# Altium PCB amp.PcbDoc (part 12 of 20)
Units mm, origin at the board's own origin, x right, y up, seen from the top; angles counter-clockwise.
Board outline 210 x 210 mm, 2 copper layers (Top Layer, Bottom Layer); 742 components, 1354 nets, 6402 pads, 5154 vias.
Unrouted connection lines stored in the file: 702.
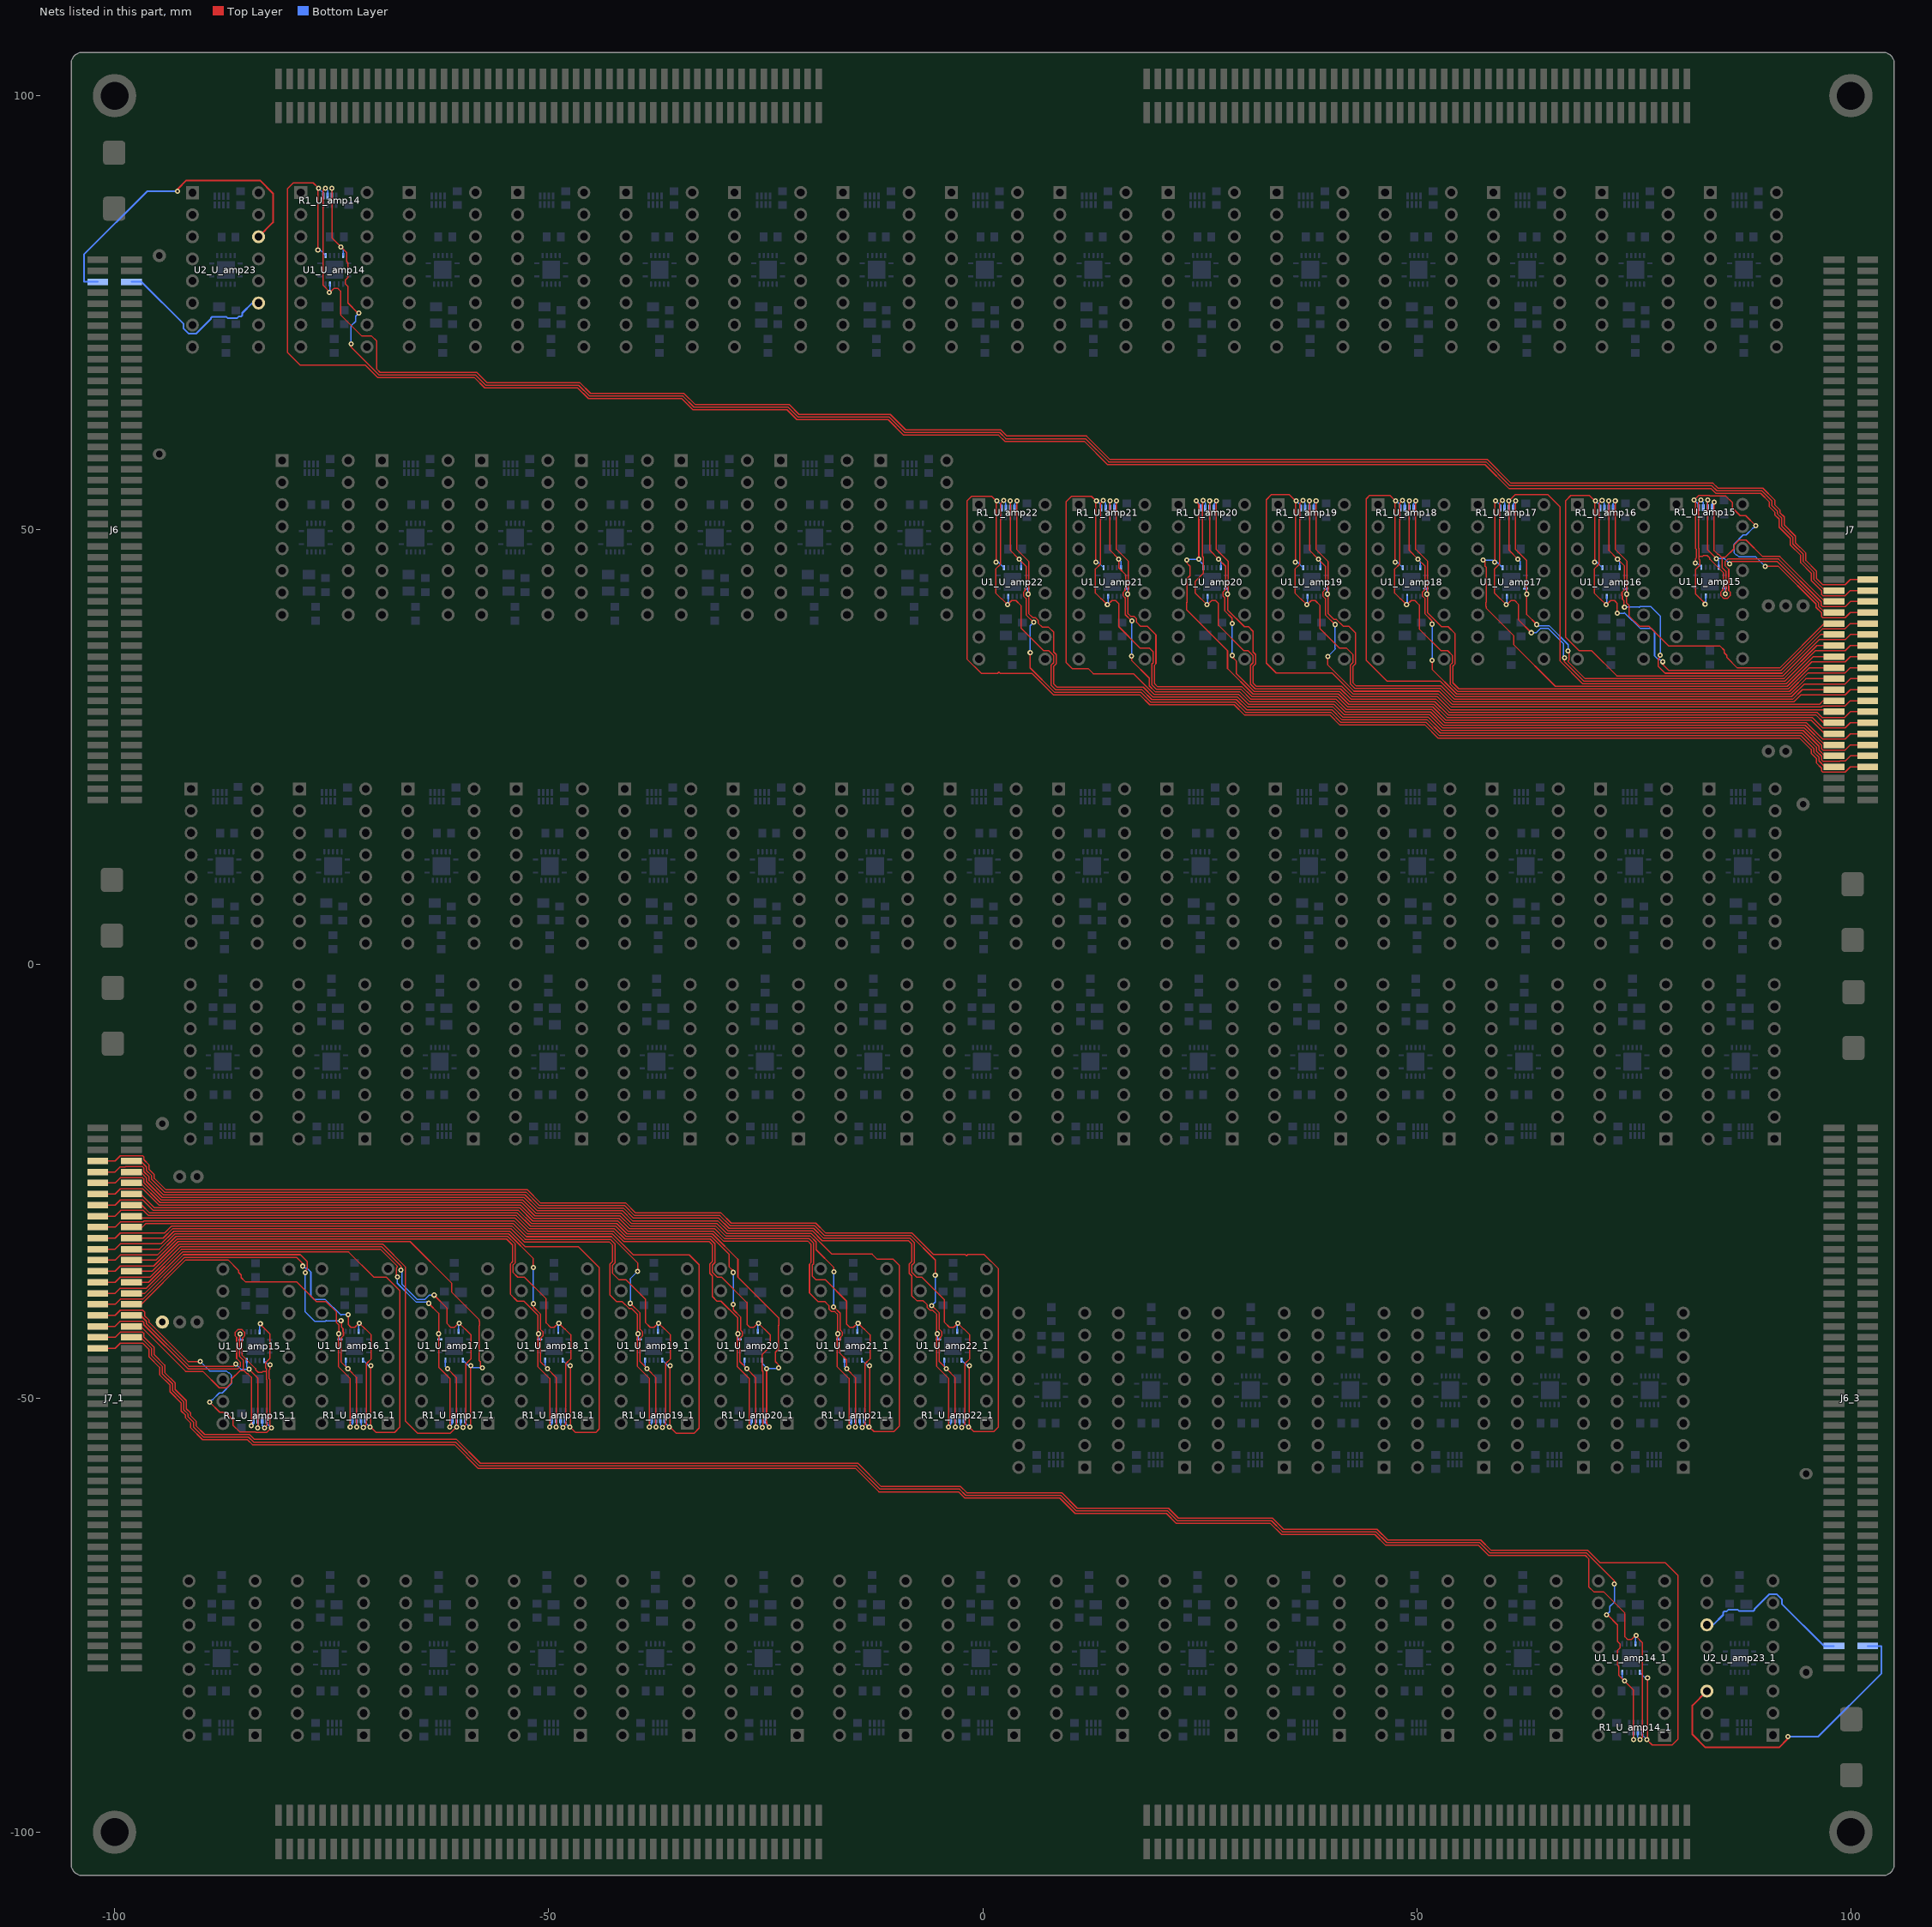
[diagram p12: the nets of this part, all layers, seen from the top]

## Via types
v1: diameter 0.6, hole 0.3, Top Layer to Bottom Layer, tented both sides, 4704 vias
v2: diameter 0.5, hole 0.3, Top Layer to Bottom Layer, 450 vias

## Nets (pads, with @x,y where several pads share a name; then routed paths per layer and width w, separated by ;. In a path a pad name is that pad's centre, name@x,y a point inside that pad or via, vN(x,y) a via of type N, cw(c..) or ccw(c..) an arc to the next point about the centre after c; other vN are vias at no path point) (continued)
NetJ6_95: J6.95 J6_3.95 U2_U_amp23.14 U2_U_amp23_1.14 | length 72.9
  Top Layer w0.2: v1(-92.75,89) -92.75,89.25 -91.75,90.25 -83.25,90.25 -81.75,88.75 -81.75,85.421 U2_U_amp23.14@-83.421,83.75 ; U2_U_amp23_1.14@83.421,-83.75 81.75,-85.421 81.75,-88.75 83.25,-90.25 91.75,-90.25 92.75,-89.25 v1(92.75,-89)
  Bottom Layer w0.2: J6.95@-101.95,78.575 -103.5,78.575 -103.5,81.75 -96.25,89 v1(-92.75,89) ; v1(92.75,-89) 96.25,-89 103.5,-81.75 103.5,-78.575 J6_3.95@101.95,-78.575
NetJ6_96: J6.96 J6_3.96 U2_U_amp23.11 U2_U_amp23_1.11 | length 38.5
  Bottom Layer w0.2: J6.96@-98.05,78.575 -96.902,78.575 -92.041,73.715 -92.041,73.176 -91.455,72.59 -90.627,72.59 -88.902,74.315 -88.902,74.406 -88.756,74.552 -87.149,74.552 -86.969,74.373 -85.901,74.373 -85.701,74.573 -85.444,74.573 -85.297,74.719 -85.297,74.977 -84.144,76.13 U2_U_amp23.11@-83.421,76.13 ; U2_U_amp23_1.11@83.421,-76.13 84.144,-76.13 85.297,-74.977 85.297,-74.719 85.444,-74.573 85.701,-74.573 85.901,-74.373 86.969,-74.373 87.149,-74.552 88.756,-74.552 88.902,-74.406 88.902,-74.315 90.627,-72.59 91.455,-72.59 92.041,-73.176 92.041,-73.715 96.902,-78.575 J6_3.96@98.05,-78.575
NetJ7_7: J7.7 J7_1.7 R1_U_amp22.5 R1_U_amp22_1.5 U1_U_amp22.9 U1_U_amp22_1.9 | length 283.3
  Top Layer w0.15: J7_1.7@-101.95,-22.695 -99.938,-22.695 -99.343,-22.1 -96.757,-22.1 -96.625,-22.232 -96.625,-22.552 -96.025,-23.152 -96.025,-23.675 -95.425,-24.275 -95.425,-24.696 -94.134,-25.987 -52.485,-25.987 -50.96,-27.512 -41.149,-27.512 -39.975,-28.687 -30.14,-28.687 -28.974,-29.853 -19.241,-29.853 -18.122,-30.972 -8.166,-30.972 -5.678,-33.46 -2.018,-33.46 -1.86,-33.618 -1.703,-33.461 0.16,-33.461 1.824,-35.124 1.824,-53.316 1.274,-53.865 -1.039,-53.865 -1.564,-53.34 -1.54,-53.316 v1(-1.54,-46.28) ; v1(1.54,46.28) 1.54,53.316 1.564,53.34 1.039,53.865 -1.274,53.865 -1.824,53.316 -1.824,35.124 -0.16,33.461 1.703,33.461 1.86,33.618 2.018,33.46 5.678,33.46 8.166,30.972 18.122,30.972 19.241,29.853 28.974,29.853 30.14,28.687 39.975,28.687 41.149,27.512 50.96,27.512 52.485,25.987 94.134,25.987 95.425,24.696 95.425,24.275 96.025,23.675 96.025,23.152 96.625,22.552 96.625,22.232 96.757,22.1 99.343,22.1 99.938,22.695 J7.7@101.95,22.695
  Bottom Layer w0.15: U1_U_amp22_1.9@-2.436,-45.645 -1.801,-46.28 v1(-1.54,-46.28) ; R1_U_amp22_1.5@-2.162,-52.495 -2.162,-52.847 -1.669,-53.34 v1(-1.62,-53.34) ; v1(1.54,46.28) 1.801,46.28 U1_U_amp22.9@2.436,45.645 ; v1(1.62,53.34) 1.669,53.34 2.162,52.847 R1_U_amp22.5@2.162,52.495
NetJ7_8: J7.8 J7_1.8 R1_U_amp22.7 R1_U_amp22_1.7 U1_U_amp22.13 U1_U_amp22_1.13 | length 241.2
  Top Layer w0.15: J7_1.8@-98.05,-22.695 -97.008,-22.695 -96.325,-23.378 -96.325,-23.799 -95.725,-24.399 -95.725,-24.82 -94.258,-26.287 -52.609,-26.287 -51.084,-27.812 -41.274,-27.812 -40.099,-28.987 -30.265,-28.987 -29.098,-30.153 -19.365,-30.153 -18.246,-31.272 -8.291,-31.272 -5.461,-34.102 v1(-5.461,-35.865) ; v1(-5.867,-39.345) -4.998,-40.214 -4.998,-42.08 -4.698,-42.38 -4.698,-42.815 -4.923,-43.04 -4.923,-43.205 -4.998,-43.28 -4.998,-45.819 v1(-4.182,-46.636) -3.166,-47.652 -3.169,-47.655 v1(-3.169,-53.34) ; v1(3.169,53.34) 3.169,47.655 3.166,47.652 v1(4.182,46.636) 4.998,45.819 4.998,43.28 4.923,43.205 4.923,43.04 4.698,42.815 4.698,42.38 4.998,42.08 4.998,40.214 v1(5.867,39.345) ; v1(5.461,35.865) 5.461,34.102 8.291,31.272 18.246,31.272 19.365,30.153 29.098,30.153 30.265,28.987 40.099,28.987 41.274,27.812 51.084,27.812 52.609,26.287 94.258,26.287 95.725,24.82 95.725,24.399 96.325,23.799 96.325,23.378 97.008,22.695 J7.8@98.05,22.695
  Bottom Layer w0.15: v1(-5.867,-39.345) -5.461,-38.938 v1(-5.461,-35.865) ; U1_U_amp22_1.13@-4.436,-45.645 -4.436,-46.382 v1(-4.182,-46.636) ; v1(-3.169,-53.34) -3.169,-53.381 -3.162,-53.388 R1_U_amp22_1.7@-3.162,-52.495 ; R1_U_amp22.7@3.162,52.495 3.162,53.388 3.169,53.381 v1(3.169,53.34) ; v1(4.182,46.636) 4.436,46.382 U1_U_amp22.13@4.436,45.645 ; v1(5.461,35.865) 5.461,38.938 v1(5.867,39.345)
NetJ7_9: J7.9 J7_1.9 R1_U_amp22.6 R1_U_amp22_1.6 U1_U_amp22.5 U1_U_amp22_1.5 | length 253.2
  Top Layer w0.15: J7_1.9@-101.95,-23.965 -99.938,-23.965 -99.343,-23.37 -98.757,-23.37 -98.704,-23.317 -96.81,-23.317 -96.625,-23.502 -96.625,-23.923 -96.025,-24.523 -96.025,-24.945 -94.383,-26.587 -52.733,-26.587 -51.208,-28.112 -41.398,-28.112 -40.223,-29.287 -30.389,-29.287 -29.223,-30.453 -19.49,-30.453 -18.371,-31.572 -8.415,-31.572 -7.864,-32.123 -7.864,-34.406 -8.164,-34.706 -8.164,-35.514 -7.593,-36.085 -7.019,-36.085 -4.398,-38.705 -4.398,-41.282 -3.829,-41.852 -3.335,-41.852 v1(-2.861,-41.378) -2.163,-42.076 -2.137,-42.076 -1.493,-42.721 -1.493,-45.49 -2.065,-46.063 -2.065,-53.043 -2.404,-53.382 v1(-2.404,-53.392) ; v1(2.404,53.392) 2.404,53.382 2.065,53.043 2.065,46.063 1.493,45.49 1.493,42.721 2.137,42.076 2.163,42.076 v1(2.861,41.378) 3.335,41.852 3.829,41.852 4.398,41.282 4.398,38.705 7.019,36.085 7.593,36.085 8.164,35.514 8.164,34.706 7.864,34.406 7.864,32.123 8.415,31.572 18.371,31.572 19.49,30.453 29.223,30.453 30.389,29.287 40.223,29.287 41.398,28.112 51.208,28.112 52.733,26.587 94.383,26.587 96.025,24.945 96.025,24.523 96.625,23.923 96.625,23.502 96.81,23.317 98.704,23.317 98.757,23.37 99.343,23.37 99.938,23.965 J7.9@101.95,23.965
  Bottom Layer w0.15: U1_U_amp22_1.5@-2.936,-42.345 -2.936,-41.453 v1(-2.861,-41.378) ; R1_U_amp22_1.6@-2.662,-52.495 -2.662,-53.105 -2.404,-53.363 v1(-2.404,-53.392) ; v1(2.404,53.392) 2.404,53.363 2.662,53.105 R1_U_amp22.6@2.662,52.495 ; v1(2.861,41.378) 2.936,41.453 U1_U_amp22.5@2.936,42.345
NetJ7_10: J7.10 J7_1.10 R1_U_amp22.8 R1_U_amp22_1.8 U1_U_amp22.1 U1_U_amp22_1.1 | length 238.2
  Top Layer w0.15: J7_1.10@-98.05,-23.965 -97.008,-23.965 -96.325,-24.648 -96.325,-25.069 -94.507,-26.887 -52.858,-26.887 -51.332,-28.412 -41.522,-28.412 -40.348,-29.587 -30.513,-29.587 -29.347,-30.753 -19.614,-30.753 -18.49,-31.877 -8.534,-31.877 -8.164,-32.247 -8.164,-34.282 -8.464,-34.582 -8.464,-35.638 -8.164,-35.938 -8.164,-38.216 -7.569,-38.811 -6.833,-38.811 -6.418,-39.226 -6.418,-39.537 -6.059,-39.895 -5.749,-39.895 -5.298,-40.345 -5.298,-42.522 v1(-5.223,-42.597) -5.298,-42.672 -5.298,-46.367 -3.912,-47.753 -3.912,-53.376 -3.931,-53.357 v1(-3.931,-53.34) ; v1(3.931,53.34) 3.931,53.357 3.912,53.376 3.912,47.753 5.298,46.367 5.298,42.672 v1(5.223,42.597) 5.298,42.522 5.298,40.345 5.749,39.895 6.059,39.895 6.418,39.537 6.418,39.226 6.833,38.811 7.569,38.811 8.164,38.216 8.164,35.938 8.464,35.638 8.464,34.582 8.164,34.282 8.164,32.247 8.534,31.877 18.49,31.877 19.614,30.753 29.347,30.753 30.513,29.587 40.348,29.587 41.522,28.412 51.332,28.412 52.858,26.887 94.507,26.887 96.325,25.069 96.325,24.648 97.008,23.965 J7.10@98.05,23.965
  Bottom Layer w0.15: v1(-5.223,-42.597) -5.223,-43.108 U1_U_amp22_1.1@-5.086,-43.245 ; v1(-3.931,-53.34) -3.931,-53.269 -3.662,-52.999 R1_U_amp22_1.8@-3.662,-52.495 ; R1_U_amp22.8@3.662,52.495 3.662,52.999 3.931,53.269 v1(3.931,53.34) ; U1_U_amp22.1@5.086,43.245 5.223,43.108 v1(5.223,42.597)
NetJ7_11: J7.11 J7_1.11 R1_U_amp21.5 R1_U_amp21_1.5 U1_U_amp21.9 U1_U_amp21_1.9 | length 257.6
  Top Layer w0.15: J7_1.11@-101.95,-25.235 -99.938,-25.235 -99.343,-24.64 -96.757,-24.64 -96.625,-24.772 -96.625,-25.193 -94.631,-27.187 -52.982,-27.187 -51.457,-28.712 -41.646,-28.712 -40.472,-29.887 -30.637,-29.887 -29.471,-31.053 -19.738,-31.053 -17.357,-33.435 -12.737,-33.435 -12.186,-33.985 -10.338,-33.985 -9.606,-34.717 -9.606,-46.817 -9.601,-46.822 -9.601,-53.25 -10.216,-53.865 -12.529,-53.865 -13.055,-53.34 -13.031,-53.316 v1(-13.031,-46.28) ; v1(13.031,46.28) 13.031,53.316 13.055,53.34 12.529,53.865 10.216,53.865 9.601,53.25 9.601,46.822 9.606,46.817 9.606,34.717 10.338,33.985 12.186,33.985 12.737,33.435 17.357,33.435 19.738,31.053 29.471,31.053 30.637,29.887 40.472,29.887 41.646,28.712 51.457,28.712 52.982,27.187 94.631,27.187 96.625,25.193 96.625,24.772 96.757,24.64 99.343,24.64 99.938,25.235 J7.11@101.95,25.235
  Bottom Layer w0.15: U1_U_amp21_1.9@-13.926,-45.645 -13.291,-46.28 v1(-13.031,-46.28) ; R1_U_amp21_1.5@-13.652,-52.495 -13.652,-52.847 -13.159,-53.34 v1(-13.11,-53.34) ; v1(13.031,46.28) 13.291,46.28 U1_U_amp21.9@13.926,45.645 ; v1(13.11,53.34) 13.159,53.34 13.652,52.847 R1_U_amp21.5@13.652,52.495
NetJ7_12: J7.12 J7_1.12 R1_U_amp21.7 R1_U_amp21_1.7 U1_U_amp21.13 U1_U_amp21_1.13 | length 214.5
  Top Layer w0.15: J7_1.12@-98.05,-25.235 -97.008,-25.235 -94.755,-27.487 -53.106,-27.487 -51.581,-29.012 -41.771,-29.012 -40.596,-30.187 -30.762,-30.187 -29.595,-31.353 -19.862,-31.353 -19.195,-32.021 -19.195,-32.926 -17.145,-34.976 v1(-17.145,-35.458) ; v1(-17.196,-39.522) -17.127,-39.522 -16.414,-40.236 -16.414,-42.155 -16.189,-42.38 -16.189,-42.815 -16.414,-43.04 -16.414,-43.303 -16.489,-43.378 -16.489,-44.805 -15.672,-45.621 v1(-15.672,-46.636) -14.656,-47.652 -14.66,-47.655 v1(-14.66,-53.34) ; v1(14.66,53.34) 14.66,47.655 14.656,47.652 v1(15.672,46.636) 15.672,45.621 16.489,44.805 16.489,43.378 16.414,43.303 16.414,43.04 16.189,42.815 16.189,42.38 16.414,42.155 16.414,40.236 17.127,39.522 v1(17.196,39.522) ; v1(17.145,35.458) 17.145,34.976 19.195,32.926 19.195,32.021 19.862,31.353 29.595,31.353 30.762,30.187 40.596,30.187 41.771,29.012 51.581,29.012 53.106,27.487 94.755,27.487 97.008,25.235 J7.12@98.05,25.235
  Bottom Layer w0.15: v1(-17.196,-39.522) -17.145,-39.472 v1(-17.145,-35.458) ; U1_U_amp21_1.13@-15.926,-45.645 -15.926,-46.382 v1(-15.672,-46.636) ; v1(-14.66,-53.34) -14.66,-53.381 -14.652,-53.388 R1_U_amp21_1.7@-14.652,-52.495 ; R1_U_amp21.7@14.652,52.495 14.652,53.388 14.66,53.381 v1(14.66,53.34) ; v1(15.672,46.636) 15.926,46.382 U1_U_amp21.13@15.926,45.645 ; v1(17.145,35.458) 17.145,39.472 v1(17.196,39.522)
NetJ7_13: J7.13 J7_1.13 R1_U_amp21.6 R1_U_amp21_1.6 U1_U_amp21.5 U1_U_amp21_1.5 | length 227.2
  Top Layer w0.15: J7_1.13@-101.95,-26.505 -99.938,-26.505 -99.343,-25.91 -97.411,-25.91 -97.409,-25.908 -97.407,-25.91 -96.757,-25.91 -94.88,-27.787 -53.23,-27.787 -51.705,-29.312 -41.895,-29.312 -40.72,-30.487 -30.886,-30.487 -29.72,-31.653 -19.987,-31.653 -19.495,-32.145 -19.495,-34.547 -19.654,-34.706 -19.654,-35.921 -19.202,-36.373 -18.136,-36.373 -15.672,-38.837 -15.672,-41.499 -15.319,-41.852 -14.884,-41.852 -14.41,-41.378 v1(-14.351,-41.378) -13.653,-42.076 -13.627,-42.076 -12.983,-42.721 -12.983,-45.49 -13.556,-46.063 -13.556,-53.043 -13.894,-53.382 v1(-13.894,-53.392) ; v1(13.894,53.392) 13.894,53.382 13.556,53.043 13.556,46.063 12.983,45.49 12.983,42.721 13.627,42.076 13.653,42.076 v1(14.351,41.378) 14.41,41.378 14.884,41.852 15.319,41.852 15.672,41.499 15.672,38.837 18.136,36.373 19.202,36.373 19.654,35.921 19.654,34.706 19.495,34.547 19.495,32.145 19.987,31.653 29.72,31.653 30.886,30.487 40.72,30.487 41.895,29.312 51.705,29.312 53.23,27.787 94.88,27.787 96.757,25.91 97.407,25.91 97.409,25.908 97.411,25.91 99.343,25.91 99.938,26.505 J7.13@101.95,26.505
  Bottom Layer w0.15: U1_U_amp21_1.5@-14.426,-42.345 -14.426,-41.453 v1(-14.351,-41.378) ; R1_U_amp21_1.6@-14.152,-52.495 -14.152,-53.105 -13.894,-53.363 v1(-13.894,-53.392) ; v1(13.894,53.392) 13.894,53.363 14.152,53.105 R1_U_amp21.6@14.152,52.495 ; v1(14.351,41.378) 14.426,41.453 U1_U_amp21.5@14.426,42.345
NetJ7_14: J7.14 J7_1.14 R1_U_amp21.8 R1_U_amp21_1.8 U1_U_amp21.1 U1_U_amp21_1.1 | length 212.3
  Top Layer w0.15: J7_1.14@-98.05,-26.505 -97.008,-26.505 -95.425,-28.087 -53.355,-28.087 -51.829,-29.612 -42.019,-29.612 -40.845,-30.787 -31.01,-30.787 -29.844,-31.953 -20.111,-31.953 -19.795,-32.269 -19.795,-34.423 -19.954,-34.582 -19.954,-37.907 -18.974,-38.887 -18.186,-38.887 -17.721,-39.353 -17.721,-39.74 -17.413,-40.047 -17.026,-40.047 -16.714,-40.36 v1(-16.714,-42.597) -16.789,-42.672 -16.789,-46.367 -15.402,-47.753 -15.402,-53.376 -15.422,-53.357 v1(-15.422,-53.34) ; v1(15.422,53.34) 15.422,53.357 15.402,53.376 15.402,47.753 16.789,46.367 16.789,42.672 v1(16.714,42.597) 16.714,40.36 17.026,40.047 17.413,40.047 17.721,39.74 17.721,39.353 18.186,38.887 18.974,38.887 19.954,37.907 19.954,34.582 19.795,34.423 19.795,32.269 20.111,31.953 29.844,31.953 31.01,30.787 40.845,30.787 42.019,29.612 51.829,29.612 53.355,28.087 95.425,28.087 97.008,26.505 J7.14@98.05,26.505
  Bottom Layer w0.15: v1(-16.714,-42.597) -16.714,-43.108 U1_U_amp21_1.1@-16.576,-43.245 ; v1(-15.422,-53.34) -15.422,-53.269 -15.152,-52.999 R1_U_amp21_1.8@-15.152,-52.495 ; R1_U_amp21.8@15.152,52.495 15.152,52.999 15.422,53.269 v1(15.422,53.34) ; U1_U_amp21.1@16.576,43.245 16.714,43.108 v1(16.714,42.597)
NetJ7_15: J7.15 J7_1.15 R1_U_amp20.5 R1_U_amp20_1.5 U1_U_amp20.9 U1_U_amp20_1.9 | length 204.4
  Top Layer w0.15: J7_1.15@-101.95,-27.775 -99.938,-27.775 -99.343,-27.18 -96.757,-27.18 -95.55,-28.387 -53.479,-28.387 -51.954,-29.912 -42.144,-29.912 -40.969,-31.087 -31.134,-31.087 -28.202,-34.019 -28.202,-36.085 -23.491,-40.796 -23.491,-41.619 -23.524,-41.653 -23.524,-44.371 -23.874,-44.721 -23.874,-45.819 -23.52,-46.173 v1(-23.52,-46.533) v1@-23.474,-46.486 ; v1(-24.892,-46.634) -24.892,-52.925 -24.511,-53.306 -24.545,-53.34 v1(-24.6,-53.34) ; v1@23.474,46.486 v1(23.52,46.533) 23.52,46.173 23.874,45.819 23.874,44.721 23.524,44.371 23.524,41.653 23.491,41.619 23.491,40.796 28.202,36.085 28.202,34.019 31.134,31.087 40.969,31.087 42.144,29.912 51.954,29.912 53.479,28.387 95.55,28.387 96.757,27.18 99.343,27.18 99.938,27.775 J7.15@101.95,27.775 ; v1(24.6,53.34) 24.545,53.34 24.511,53.306 24.892,52.925 v1(24.892,46.634)
  Bottom Layer w0.15: U1_U_amp20_1.9@-25.416,-45.645 -25.416,-46.008 -24.892,-46.533 v1(-24.892,-46.634) ; R1_U_amp20_1.5@-25.142,-52.495 -25.142,-52.847 -24.649,-53.34 v1(-24.6,-53.34) ; v1@-24.79,-46.609 -23.597,-46.609 v1(-23.52,-46.533) ; v1(23.52,46.533) 23.597,46.609 v1@24.79,46.609 ; v1(24.6,53.34) 24.649,53.34 25.142,52.847 R1_U_amp20.5@25.142,52.495 ; v1(24.892,46.634) 24.892,46.533 25.416,46.008 U1_U_amp20.9@25.416,45.645
NetJ7_16: J7.16 J7_1.16 R1_U_amp20.7 R1_U_amp20_1.7 U1_U_amp20.13 U1_U_amp20_1.13 | length 189.8
  Top Layer w0.15: J7_1.16@-98.05,-27.775 -96.87,-27.775 -95.958,-28.687 -53.603,-28.687 -52.078,-30.212 -42.268,-30.212 -41.093,-31.387 -31.259,-31.387 -29.194,-33.451 -29.194,-34.915 -28.727,-35.382 v1(-28.727,-35.535) ; v1(-28.727,-39.218) -28.727,-39.829 -27.904,-40.653 -27.904,-42.155 -27.679,-42.38 -27.679,-42.815 -27.979,-43.115 -27.979,-45.819 v1(-27.162,-46.636) -26.146,-47.652 -26.15,-47.655 v1(-26.15,-53.34) ; v1(26.15,53.34) 26.15,47.655 26.146,47.652 v1(27.162,46.636) 27.979,45.819 27.979,43.115 27.679,42.815 27.679,42.38 27.904,42.155 27.904,40.653 28.727,39.829 v1(28.727,39.218) ; v1(28.727,35.535) 28.727,35.382 29.194,34.915 29.194,33.451 31.259,31.387 41.093,31.387 42.268,30.212 52.078,30.212 53.603,28.687 95.958,28.687 96.87,27.775 J7.16@98.05,27.775
  Bottom Layer w0.15: v1@-28.727,-39.446 v1(-28.727,-39.218) v1(-28.727,-35.535) ; U1_U_amp20_1.13@-27.416,-45.645 -27.416,-46.382 v1(-27.162,-46.636) ; v1(-26.15,-53.34) -26.15,-53.381 -26.142,-53.388 R1_U_amp20_1.7@-26.142,-52.495 ; R1_U_amp20.7@26.142,52.495 26.142,53.388 26.15,53.381 v1(26.15,53.34) ; v1(27.162,46.636) 27.416,46.382 U1_U_amp20.13@27.416,45.645 ; v1(28.727,35.535) v1(28.727,39.218) v1@28.727,39.446
NetJ7_17: J7.17 J7_1.17 R1_U_amp20.6 R1_U_amp20_1.6 U1_U_amp20.5 U1_U_amp20_1.5 | length 202
  Top Layer w0.15: J7_1.17@-101.95,-29.045 -99.938,-29.045 -99.29,-28.397 -96.672,-28.397 -96.082,-28.987 -53.727,-28.987 -52.202,-30.512 -42.392,-30.512 -41.217,-31.687 -31.383,-31.687 -30.844,-32.225 -30.844,-34.406 -31.144,-34.706 -31.144,-35.514 -30.573,-36.085 -30.082,-36.085 -27.153,-39.014 -27.153,-41.509 -26.809,-41.852 -26.374,-41.852 -25.9,-41.378 v1(-25.842,-41.378) -25.143,-42.076 -25.118,-42.076 -24.473,-42.721 -24.473,-44.048 -25.417,-44.991 -25.417,-46.852 -25.315,-46.953 -25.315,-53.313 -25.384,-53.382 v1(-25.384,-53.392) ; v1(25.384,53.392) 25.384,53.382 25.315,53.313 25.315,46.953 25.417,46.852 25.417,44.991 24.473,44.048 24.473,42.721 25.118,42.076 25.143,42.076 v1(25.842,41.378) 25.9,41.378 26.374,41.852 26.809,41.852 27.153,41.509 27.153,39.014 30.082,36.085 30.573,36.085 31.144,35.514 31.144,34.706 30.844,34.406 30.844,32.225 31.383,31.687 41.217,31.687 42.392,30.512 52.202,30.512 53.727,28.987 96.082,28.987 96.672,28.397 99.29,28.397 99.938,29.045 J7.17@101.95,29.045
  Bottom Layer w0.15: U1_U_amp20_1.5@-25.916,-42.345 -25.916,-41.453 v1(-25.842,-41.378) ; R1_U_amp20_1.6@-25.642,-52.495 -25.642,-53.105 -25.384,-53.363 v1(-25.384,-53.392) ; v1(25.384,53.392) 25.384,53.363 25.642,53.105 R1_U_amp20.6@25.642,52.495 ; v1(25.842,41.378) 25.916,41.453 U1_U_amp20.5@25.916,42.345
NetJ7_18: J7.18 J7_1.18 R1_U_amp20.8 R1_U_amp20_1.8 U1_U_amp20.1 U1_U_amp20_1.1 | length 186.7
  Top Layer w0.15: J7_1.18@-98.05,-29.045 -97.549,-29.045 -97.306,-29.287 -53.852,-29.287 -52.327,-30.812 -42.516,-30.812 -41.342,-31.987 -31.507,-31.987 -31.144,-32.35 -31.144,-34.282 -31.444,-34.582 -31.444,-35.638 -31.144,-35.938 -31.144,-38.312 -30.62,-38.837 -30.144,-38.837 -28.204,-40.777 v1(-28.204,-42.597) -28.279,-42.672 -28.279,-46.367 -26.892,-47.753 -26.892,-53.376 -26.912,-53.357 v1(-26.912,-53.34) ; v1(26.912,53.34) 26.912,53.357 26.892,53.376 26.892,47.753 28.279,46.367 28.279,42.672 v1(28.204,42.597) 28.204,40.777 30.144,38.837 30.62,38.837 31.144,38.312 31.144,35.938 31.444,35.638 31.444,34.582 31.144,34.282 31.144,32.35 31.507,31.987 41.342,31.987 42.516,30.812 52.327,30.812 53.852,29.287 97.306,29.287 97.549,29.045 J7.18@98.05,29.045
  Bottom Layer w0.15: v1(-28.204,-42.597) -28.204,-43.108 U1_U_amp20_1.1@-28.066,-43.245 ; v1(-26.912,-53.34) -26.912,-53.269 -26.642,-52.999 R1_U_amp20_1.8@-26.642,-52.495 ; R1_U_amp20.8@26.642,52.495 26.642,52.999 26.912,53.269 v1(26.912,53.34) ; U1_U_amp20.1@28.066,43.245 28.204,43.108 v1(28.204,42.597)
NetJ7_19: J7.19 J7_1.19 R1_U_amp19.5 R1_U_amp19_1.5 U1_U_amp19.9 U1_U_amp19_1.9 | length 207.5
  Top Layer w0.15: J7_1.19@-101.95,-30.315 -99.938,-30.315 -99.343,-29.72 -96.72,-29.72 -96.587,-29.587 -53.976,-29.587 -52.451,-31.112 -42.641,-31.112 -40.225,-33.528 -36.277,-33.528 -36.26,-33.511 -33.799,-33.511 -32.67,-34.64 -32.67,-53.47 -33.249,-54.049 -35.326,-54.049 -36.035,-53.34 -36.011,-53.316 v1(-36.011,-46.28) ; v1(36.011,46.28) 36.011,53.316 36.035,53.34 35.326,54.049 33.249,54.049 32.67,53.47 32.67,34.64 33.799,33.511 36.26,33.511 36.277,33.528 40.225,33.528 42.641,31.112 52.451,31.112 53.976,29.587 96.587,29.587 96.72,29.72 99.343,29.72 99.938,30.315 J7.19@101.95,30.315
  Bottom Layer w0.15: U1_U_amp19_1.9@-36.907,-45.645 -36.272,-46.28 v1(-36.011,-46.28) ; R1_U_amp19_1.5@-36.633,-52.495 -36.633,-52.847 -36.139,-53.34 v1(-36.091,-53.34) ; v1(36.011,46.28) 36.272,46.28 U1_U_amp19.9@36.907,45.645 ; v1(36.091,53.34) 36.139,53.34 36.633,52.847 R1_U_amp19.5@36.633,52.495
NetJ7_20: J7.20 J7_1.20 R1_U_amp19.7 R1_U_amp19_1.7 U1_U_amp19.13 U1_U_amp19_1.13 | length 166.3
  Top Layer w0.15: J7_1.20@-98.05,-30.315 -96.815,-30.315 -96.387,-29.887 -54.1,-29.887 -52.575,-31.412 -42.765,-31.412 -39.751,-34.426 v1(-39.751,-35.408) ; v1(-40.589,-39.091) -39.469,-40.211 -39.469,-42.08 -39.169,-42.38 -39.169,-42.815 -39.469,-43.115 -39.469,-45.819 v1(-38.653,-46.636) -37.637,-47.652 -37.64,-47.655 v1(-37.64,-53.34) ; v1(37.64,53.34) 37.64,47.655 37.637,47.652 v1(38.653,46.636) 39.469,45.819 39.469,43.115 39.169,42.815 39.169,42.38 39.469,42.08 39.469,40.211 v1(40.589,39.091) ; v1(39.751,35.408) 39.751,34.426 42.765,31.412 52.575,31.412 54.1,29.887 96.387,29.887 96.815,30.315 J7.20@98.05,30.315
  Bottom Layer w0.15: v1(-40.589,-39.091) -40.589,-36.347 -40.64,-36.297 v1(-39.751,-35.408) ; U1_U_amp19_1.13@-38.907,-45.645 -38.907,-46.382 v1(-38.653,-46.636) ; v1(-37.64,-53.34) -37.64,-53.381 -37.633,-53.388 R1_U_amp19_1.7@-37.633,-52.495 ; R1_U_amp19.7@37.633,52.495 37.633,53.388 37.64,53.381 v1(37.64,53.34) ; v1(38.653,46.636) 38.907,46.382 U1_U_amp19.13@38.907,45.645 ; v1(39.751,35.408) 40.64,36.297 40.589,36.347 v1(40.589,39.091)